# Altium PCB erb-pcb0003.PcbDoc (part 1 of 2)
Units mm, origin at the board's own origin, x right, y up, seen from the top; angles counter-clockwise.
Board outline 100 x 66.5 mm, 4 copper layers (Top Layer, Mid-Layer 1, Mid-Layer 2, Bottom Layer), stack 1.564 mm thick; 134 components, 87 nets, 757 pads, 92 vias.
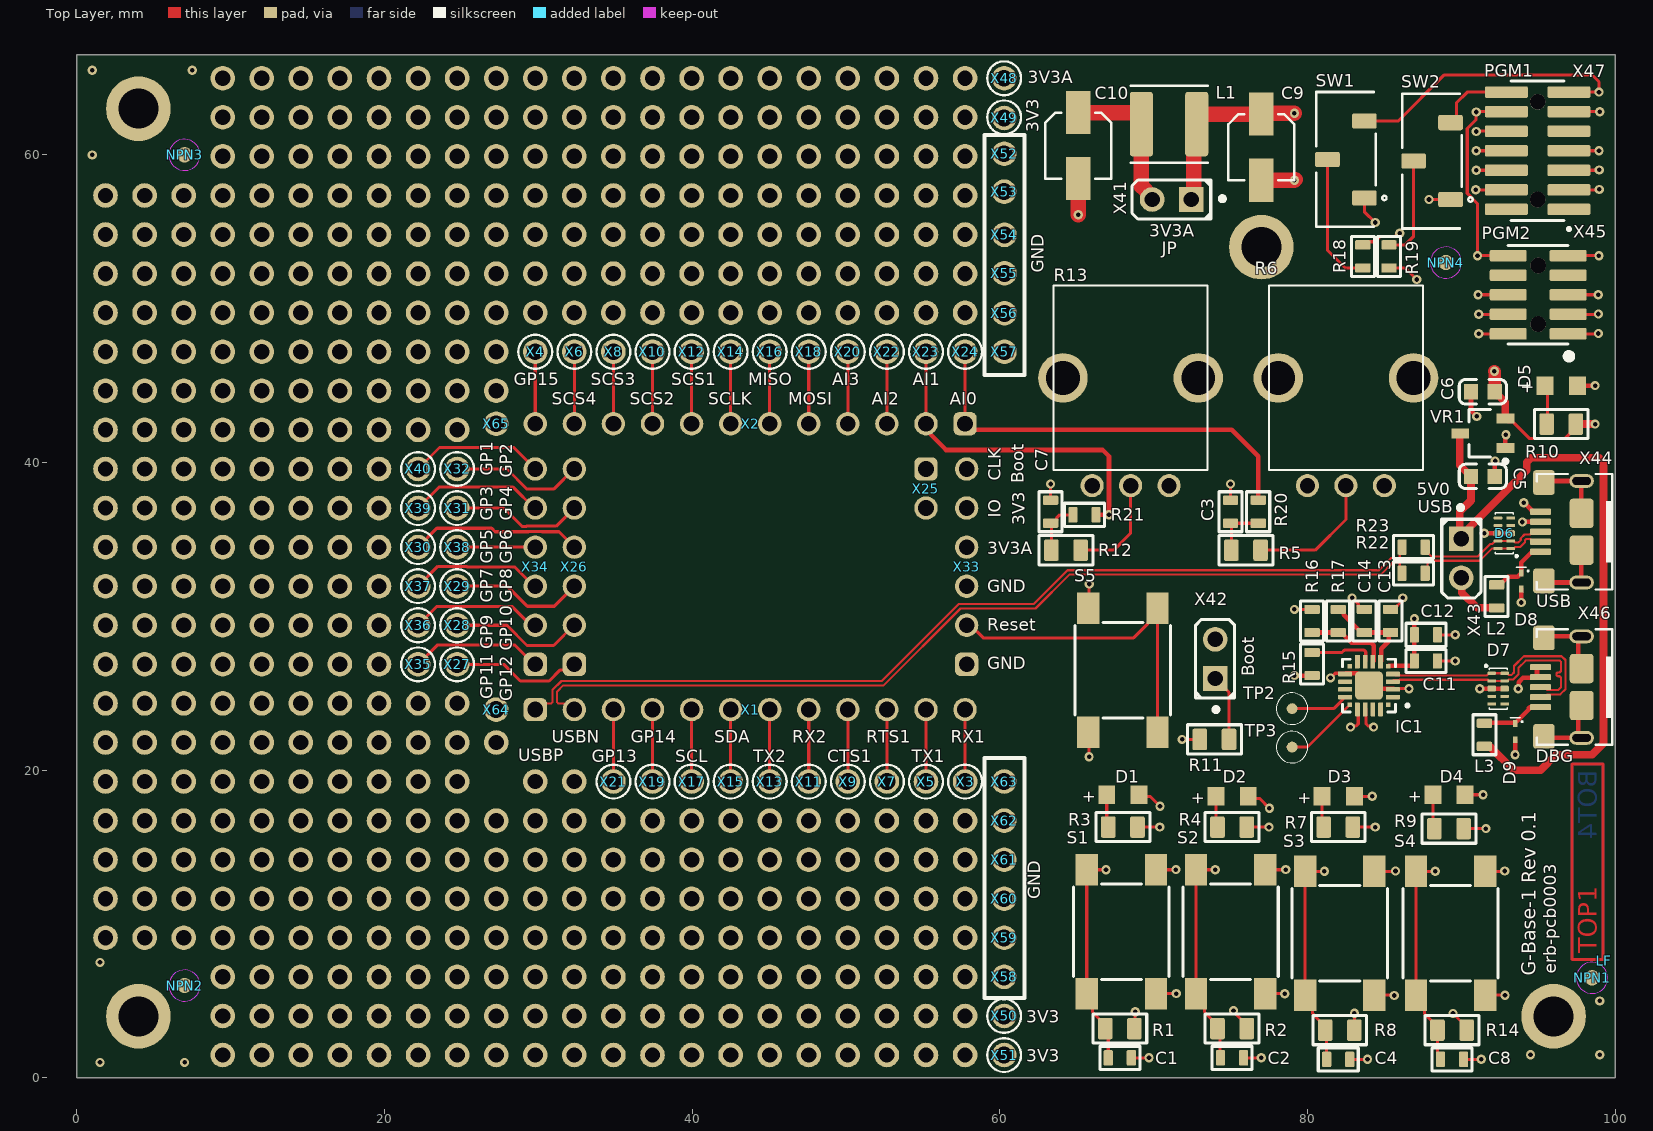
[diagram p0: Top Layer view]
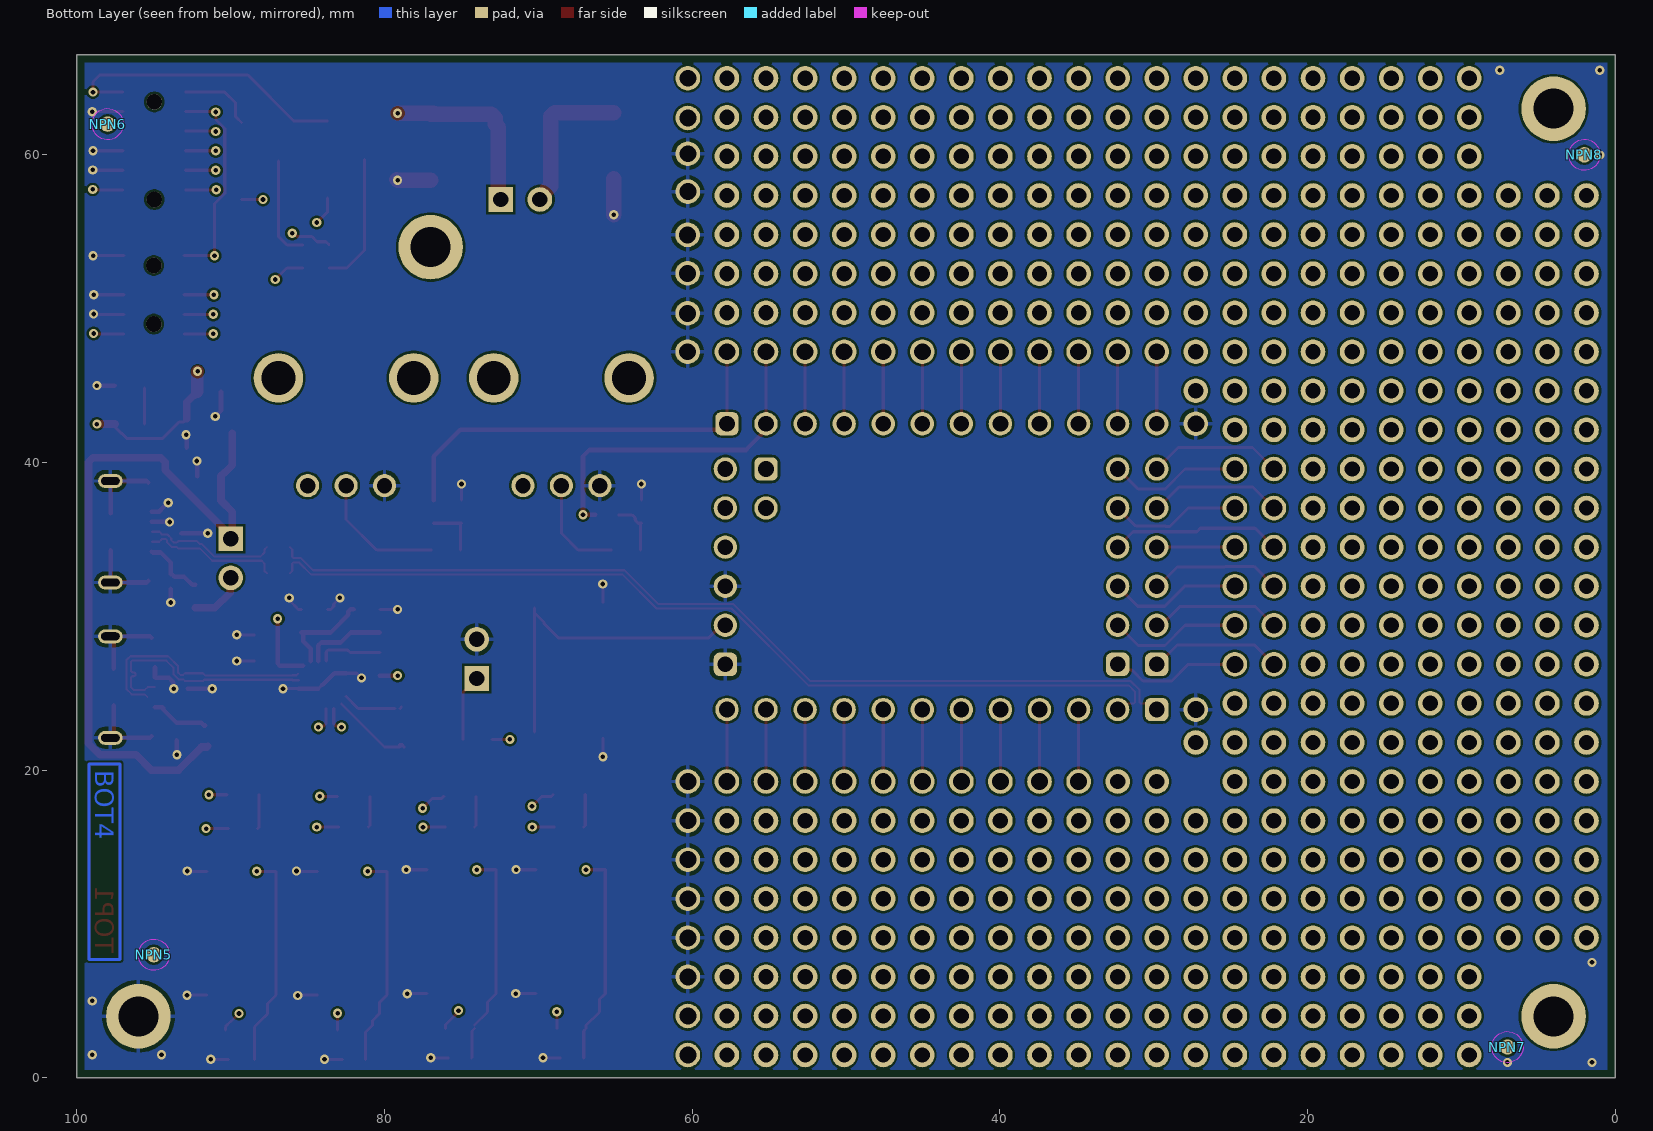
[diagram p1: Bottom Layer view, seen from below]
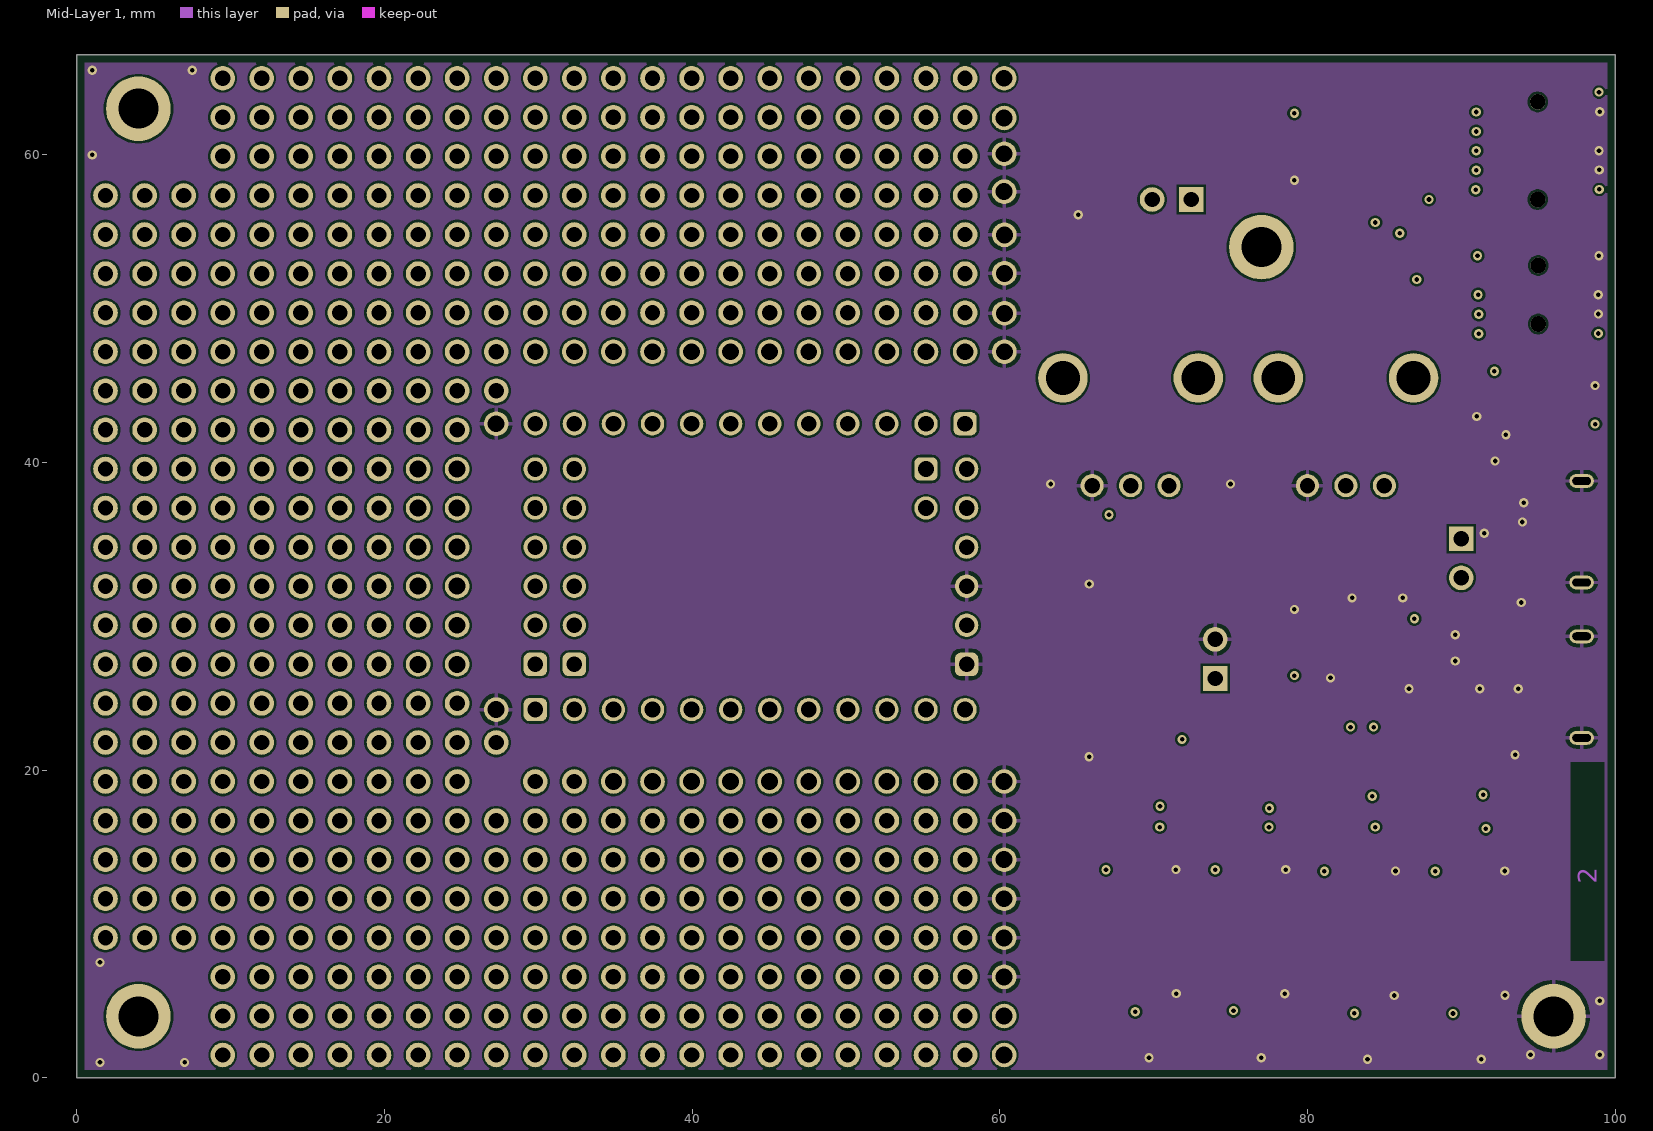
[diagram p2: Mid-Layer 1]
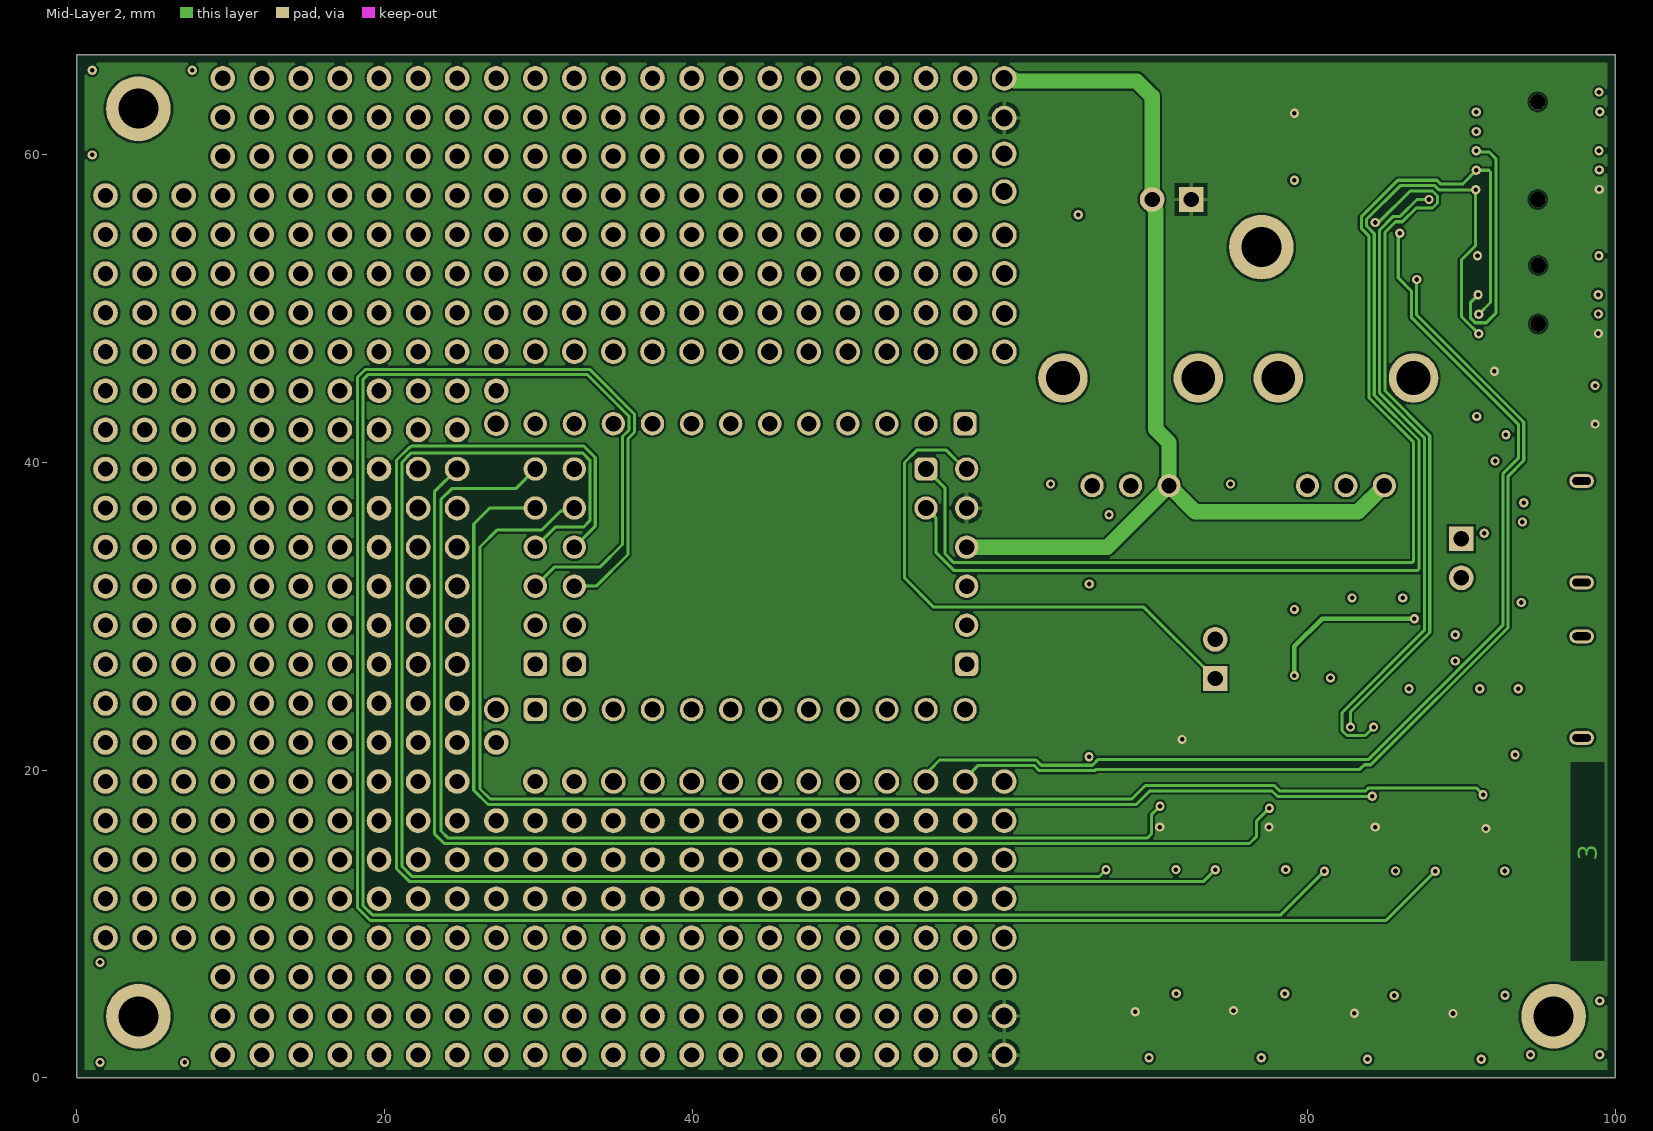
[diagram p3: Mid-Layer 2]
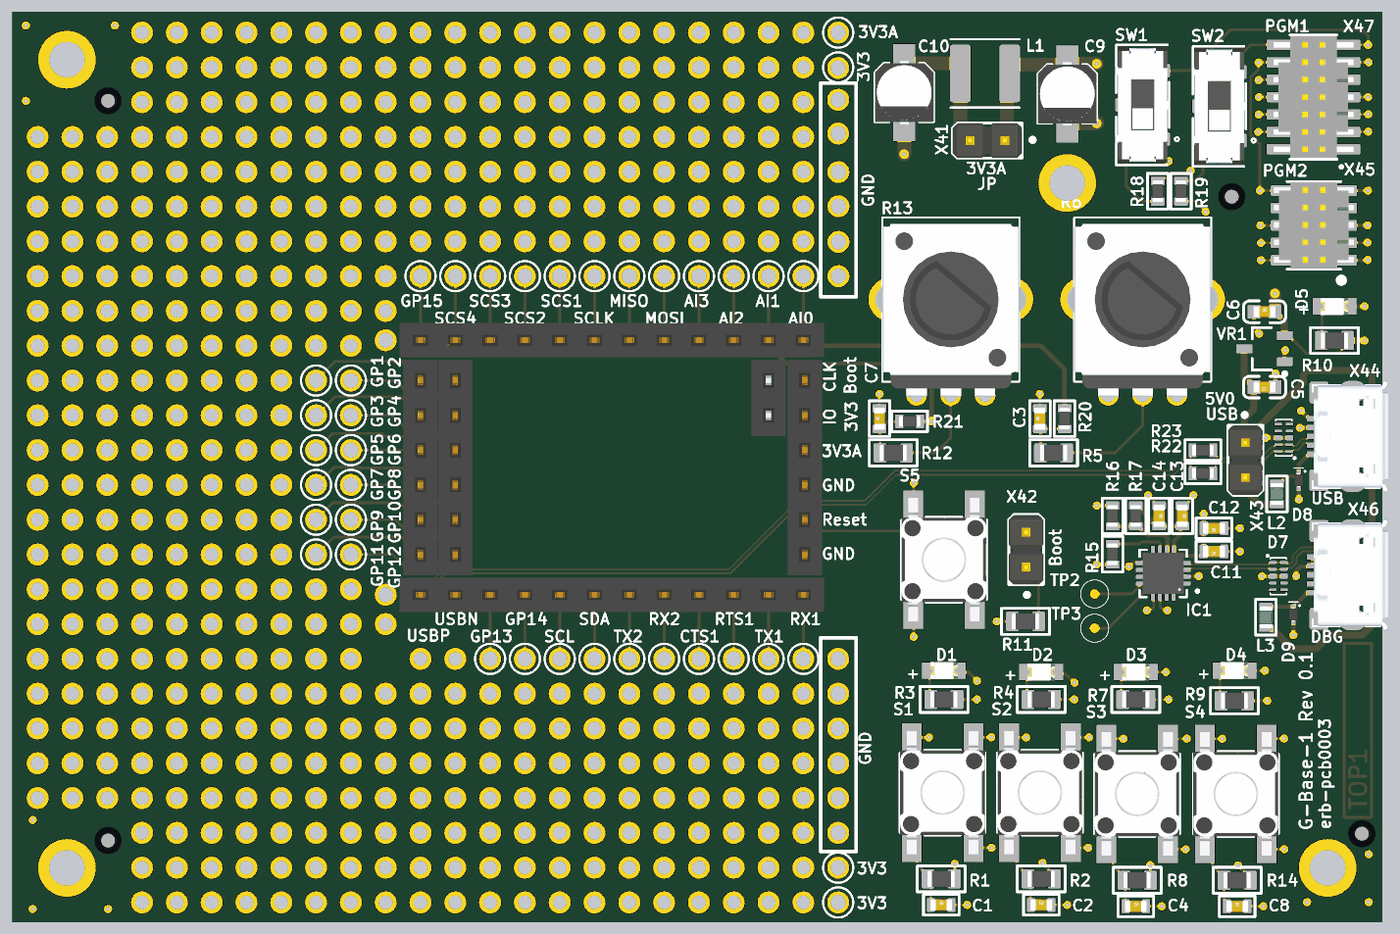
[diagram p5: 3D render of the assembled board from above, using the file's embedded part models]

## Layer stack, top to bottom
Top Solder: solder mask 0.0102, Solder Resist, Dk 3.5
Top Layer: signal copper 0.035
Dielectric 1: dielectric 0.0994, FR-4, Dk 4.8
Mid-Layer 1: signal copper 0.0152
Dielectric3: dielectric 1.265, FR-4, Dk 4.8
Mid-Layer 2: signal copper 0.0152
Dielectric2: dielectric 0.0994, FR-4, Dk 4.8
Bottom Layer: signal copper 0.035
Bottom Solder: solder mask 0.0102, Solder Resist, Dk 3.5

## Board outline
0,0 100,0 100,66.5 0,66.5

## Design rules (kind name [scope] priority, off if disabled: settings)
BoardOutlineClearance BoardOutlineClearance_Text [IsText] p1: gap=0 ignorepadtopadclearanceinfootprint=FALSE
BoardOutlineClearance BoardOutlineClearance_TO [OnLayer('Top Overlay')] p2: gap=0 ignorepadtopadclearanceinfootprint=FALSE
BoardOutlineClearance [All] p3: gap=0.5 ignorepadtopadclearanceinfootprint=FALSE except(0.2: Text-OutlineEdge Text-CavityEdge Text-CutoutEdge Text-SplitBarrior Text-SplitContinuation)
Clearance [All] p1: gap=0.15 ignorepadtopadclearanceinfootprint=FALSE
ComponentClearance [All] p1: gap=0 collisioncheckmode=3 verticalgap=0 showdistances=FALSE
DiffPairsRouting [All] p1: maxlimit=0.15 minlimit=0.127 mostfreqgap=0.15 toplayer_mingap=0.15 toplayer_minwidth=0.14 toplayer_maxwidth=0.14 toplayer_prefwidth=0.14 midlayer1_maxgap=0.127 midlayer1_prefgap=0.127 midlayer1_minwidth=0.093 midlayer1_maxwidth=0.093 midlayer1_prefwidth=0.093 midlayer2_maxgap=0.127 midlayer2_prefgap=0.127 midlayer2_minwidth=0.093 midlayer2_maxwidth=0.093 midlayer2_prefwidth=0.093 bottomlayer_mingap=0.15 bottomlayer_minwidth=0.14 bottomlayer_maxwidth=0.14 bottomlayer_prefwidth=0.14 impedanceprofiledriven=TRUE impedanceprofileid={637E84AD-7C76-4CBF-A563-E7FCB9195060} impedanceprofilevalue=90.000000 maxuncoupledlength=12.7
Height [All] p1: minheight=0 maxheight=100 prefheight=12.7
HoleSize [All] p1: absolutevalues=TRUE maxlimit=6 minlimit=0.025 maxpercent=80.000 minpercent=20.000
MinimumSolderMaskSliver [All] p1: minsoldermaskwidth=0.1
PolygonConnect [All] p1: thpad.connectstyle=Relief thpad.reliefconductorwidth=0.254 thpad.reliefentries=4 thpad.polygonreliefangle="90 Angle" thpad.airgapwidth=0.254 smdpad.connectstyle=Relief smdpad.reliefconductorwidth=0.254 smdpad.reliefentries=4 smdpad.polygonreliefangle="90 Angle" smdpad.airgapwidth=0.254 via.connectstyle=Direct via.reliefconductorwidth=0.254 via.reliefentries=4 via.polygonreliefangle="90 Angle" via.airgapwidth=0.254
RoutingVias [All] p1: holewidth=0.3 width=0.6 viastyle="Through Hole" minholewidth=0.3 minwidth=0.6 maxholewidth=0.3 maxwidth=0.6
SilkToSilkClearance [All] p1: silktosilkclearance=0
SilkToSolderMaskClearance [IsPad] p1: minsilkscreentomaskgap=0 clearancetoexposedcopper=TRUE
SolderMaskExpansion [All] p1: expansion=0.05 istentingtop=FALSE
Width [All] p1: maxlimit=1 minlimit=0.14 preferedwidth=0.2 minimp=50.000000 maximp=50.000000 favimp=50.000000
23 further rules are at their usual default settings.

## Classes and differential pairs
net class 90R-DP: DBG_USB_N DBG_USB_P USB_0_D1_N USB_0_D1_P USB_0_D_N USB_0_D_P
differential pair USB_0_D1: +USB_0_D1_P -USB_0_D1_N
differential pair USB_0_D: +USB_0_D_P -USB_0_D_N
differential pair DBG_USB: +DBG_USB_P -DBG_USB_N

## Components (designator, comment, footprint, x,y, rotation, side; value= is the part's Value field where it differs from the comment)
C1 "100n" CAPC1608X95N 67.8,1.3 r0 top value=100nF
C2 "100n" CAPC1608X95N 75.1,1.3 r0 top value=100nF
C3 "100n" CAPC1608X95N 75,36.8 r90 top value=100nF
C4 "100n" CAPC1608X95N 82,1.2 r0 top value=100nF
C5 "1uF" 0603_C 91.4,39.1 r180 top
C6 "1uF" 0603_C 91.4,44.6 r0 top
C7 "100n" CAPC1608X95N 63.3,36.8 r90 top value=100nF
C8 "100n" CAPC1608X95N 89.4,1.2 r0 top value=100nF
C9 "22u" CAPAE4643X54M 77,60.5 r270 top
C10 "22u" CAPAE4643X54M 65.1,60.6 r270 top
C11 "100n" CAPC1608X95N 87.7,27.1 r180 top value=100nF
C12 "4u7" CAPC1608X95N 87.7,28.8 r180 top
C13 "100n" CAPC1608X95N 85.4,29.7 r270 top value=100nF
C14 "4u7" CAPC1608X95N 83.7,29.7 r270 top
D1 "RED" WL-SMCW_0805 68,18.4 r180 top
D2 "RED" WL-SMCW_0805 75.1,18.3 r180 top
D3 "RED" WL-SMCW_0805 82,18.3 r180 top
D4 "RED" WL-SMCW_0805 89.2,18.4 r180 top
D5 "RED" WL-SMCW_0805 96.5,45 r180 top
D6 "TPD4EUSB30" "DQA R-PUSON-N10" 92.8,35.4 r90 top
D7 "TPD4EUSB30" "DQA R-PUSON-N10" 92.4,25.3 r270 top
D8 "5V3" SODFL100X40-2N 93.9,32.3 r270 top
D9 "5V3" SODFL100X40-2N 93.5,22.5 r270 top
IC1 "CP2102N-A02" SILABS_CP2102N-A02-GQFN20R 84,25.5 r180 top
L1 "2u2" INDP5050X39N 71,62 r180 top
L2 "120R" INDC1608X95AN 92.3,31.3 r90 top
L3 "120R" INDC1608X95AN 91.5,22.3 r90 top
LF "" LAGENKENNER_4MLL 99.3,7.6 r90 top
NPN1 "FID" Fiducial_1mm 98.5,6.5 r90 top
NPN2 "FID" Fiducial_1mm 7,6 r90 top
NPN3 "FID" Fiducial_1mm 7,60 r90 top
NPN4 "FID" Fiducial_1mm 89,53 r90 top
NPN5 "FID" Fiducial_1mm 95,8 r90 bottom
NPN6 "FID" Fiducial_1mm 98,62 r90 bottom
NPN7 "FID" Fiducial_1mm 7,2 r90 bottom
NPN8 "FID" Fiducial_1mm 2,60 r90 bottom
R1 "100k" RESC2012X70N 67.8,3.2 r0 top
R2 "100k" RESC2012X70N 75.1,3.2 r0 top
R3 "560R" RESC2012X70N 68,16.3 r180 top
R4 "560R" RESC2012X70N 75.1,16.3 r180 top
R5 "100k" RESC2012X70N 76,34.3 r0 top
R6 "POT_50k_lin_9mm" PTV09 82.5,45.5 r0 top locked
R7 "560R" RESC2012X70N 82,16.3 r180 top
R8 "100k" RESC2012X70N 82.1,3.1 r0 top
R9 "560R" RESC2012X70N 89.2,16.2 r180 top
R10 "560R" RESC2012X70N 96.5,42.5 r180 top
R11 "100k" RESC2012X70N 73.95,22 r180 top
R12 "100k" RESC2012X70N 64.3,34.3 r0 top
R13 "POT_50k_lin_9mm" PTV09 68.5,45.5 r0 top locked
R14 "100k" RESC2012X70N 89.4,3.1 r0 top
R15 "1k" RESC1608X55AN 80.3,26.9 r90 top
R16 "33k" RESC1608X55AN 80.3,29.7 r90 top
R17 "22k" RESC1608X55AN 82,29.7 r270 top
R18 "0R" RESC1608X55N 83.6,53.4 r90 top
R19 "0R" RESC1608X55N 85.3,53.4 r270 top
R20 "0R" RESC1608X55N 76.8,36.8 r90 top
R21 "0R" RESC1608X55N 65.5,36.6 r0 top
R22 "0R" RESC1608X55N 86.9,32.8 r180 top
R23 "0R" RESC1608X55N 86.9,34.5 r180 top
S1 "UK-B0228-G5-160-JZ" UK-B0228-G5-160-JZ 67.9,9.5 r90 top locked
S2 "UK-B0228-G5-160-JZ" UK-B0228-G5-160-JZ 75,9.5 r90 top locked
S3 "UK-B0228-G5-160-JZ" UK-B0228-G5-160-JZ 82.1,9.4 r90 top locked
S4 "UK-B0228-G5-160-JZ" UK-B0228-G5-160-JZ 89.3,9.4 r90 top locked
S5 "UK-B0228-G5-160-JZ" UK-B0228-G5-160-JZ 68,26.5 r270 top
SW1 "SPDT" SW_JS102011JCQN 82.5,59.7 r90 top
SW2 "SPDT" SW_JS102011JCQN 88.1,59.6 r90 top
TP2 "TP 0.7mm" TP_0.7mm 79,24 r90 top
TP3 "TP 0.7mm" TP_0.7mm 79,21.5 r90 top
VR1 "XC6206P332MR" SOT-23-3L 91.4,41.9 r0 top
X1 "HDR 1x12" 61301211821_NO 43.77,23.94 r0 top
X2 "HDR 1x12" 61301211821_NO 43.77,42.52 r180 top
X3 "PAD" PAD_1.1_1.6#1 57.74,19.26 r0 top net-tie
X4 "PAD" PAD_1.1_1.6#1 29.8,47.2 r0 top net-tie
X5 "PAD" PAD_1.1_1.6#1 55.2,19.26 r0 top net-tie
X6 "PAD" PAD_1.1_1.6#1 32.34,47.2 r0 top net-tie
X7 "PAD" PAD_1.1_1.6#1 52.66,19.26 r0 top net-tie
X8 "PAD" PAD_1.1_1.6#1 34.88,47.2 r0 top net-tie
X9 "PAD" PAD_1.1_1.6#1 50.12,19.26 r0 top net-tie
X10 "PAD" PAD_1.1_1.6#1 37.42,47.2 r0 top net-tie
X11 "PAD" PAD_1.1_1.6#1 47.58,19.26 r0 top net-tie
X12 "PAD" PAD_1.1_1.6#1 39.96,47.2 r90 top net-tie
X13 "PAD" PAD_1.1_1.6#1 45.04,19.26 r0 top net-tie
X14 "PAD" PAD_1.1_1.6#1 42.5,47.2 r90 top net-tie
X15 "PAD" PAD_1.1_1.6#1 42.5,19.26 r90 top net-tie
X16 "PAD" PAD_1.1_1.6#1 45.04,47.2 r90 top net-tie
X17 "PAD" PAD_1.1_1.6#1 39.96,19.26 r90 top net-tie
X18 "PAD" PAD_1.1_1.6#1 47.58,47.2 r90 top net-tie
X19 "PAD" PAD_1.1_1.6#1 37.42,19.26 r90 top net-tie
X20 "PAD" PAD_1.1_1.6#1 50.12,47.2 r90 top net-tie
X21 "PAD" PAD_1.1_1.6#1 34.88,19.26 r90 top net-tie
X22 "PAD" PAD_1.1_1.6#1 52.66,47.2 r90 top net-tie
X23 "PAD" PAD_1.1_1.6#1 55.2,47.2 r90 top net-tie